# Altium PCB PCB_Incense.PcbDoc (part 2 of 3)
Units mil, origin at the board's own origin, x right, y up, seen from the top; angles counter-clockwise.
Board outline 5905.51 x 4960.63 mil, 2 copper layers (Top Layer, Bottom Layer), stack 61.89 mil thick; 318 components, 225 nets, 1085 pads, 499 vias.
Unrouted connection lines stored in the file: 2.
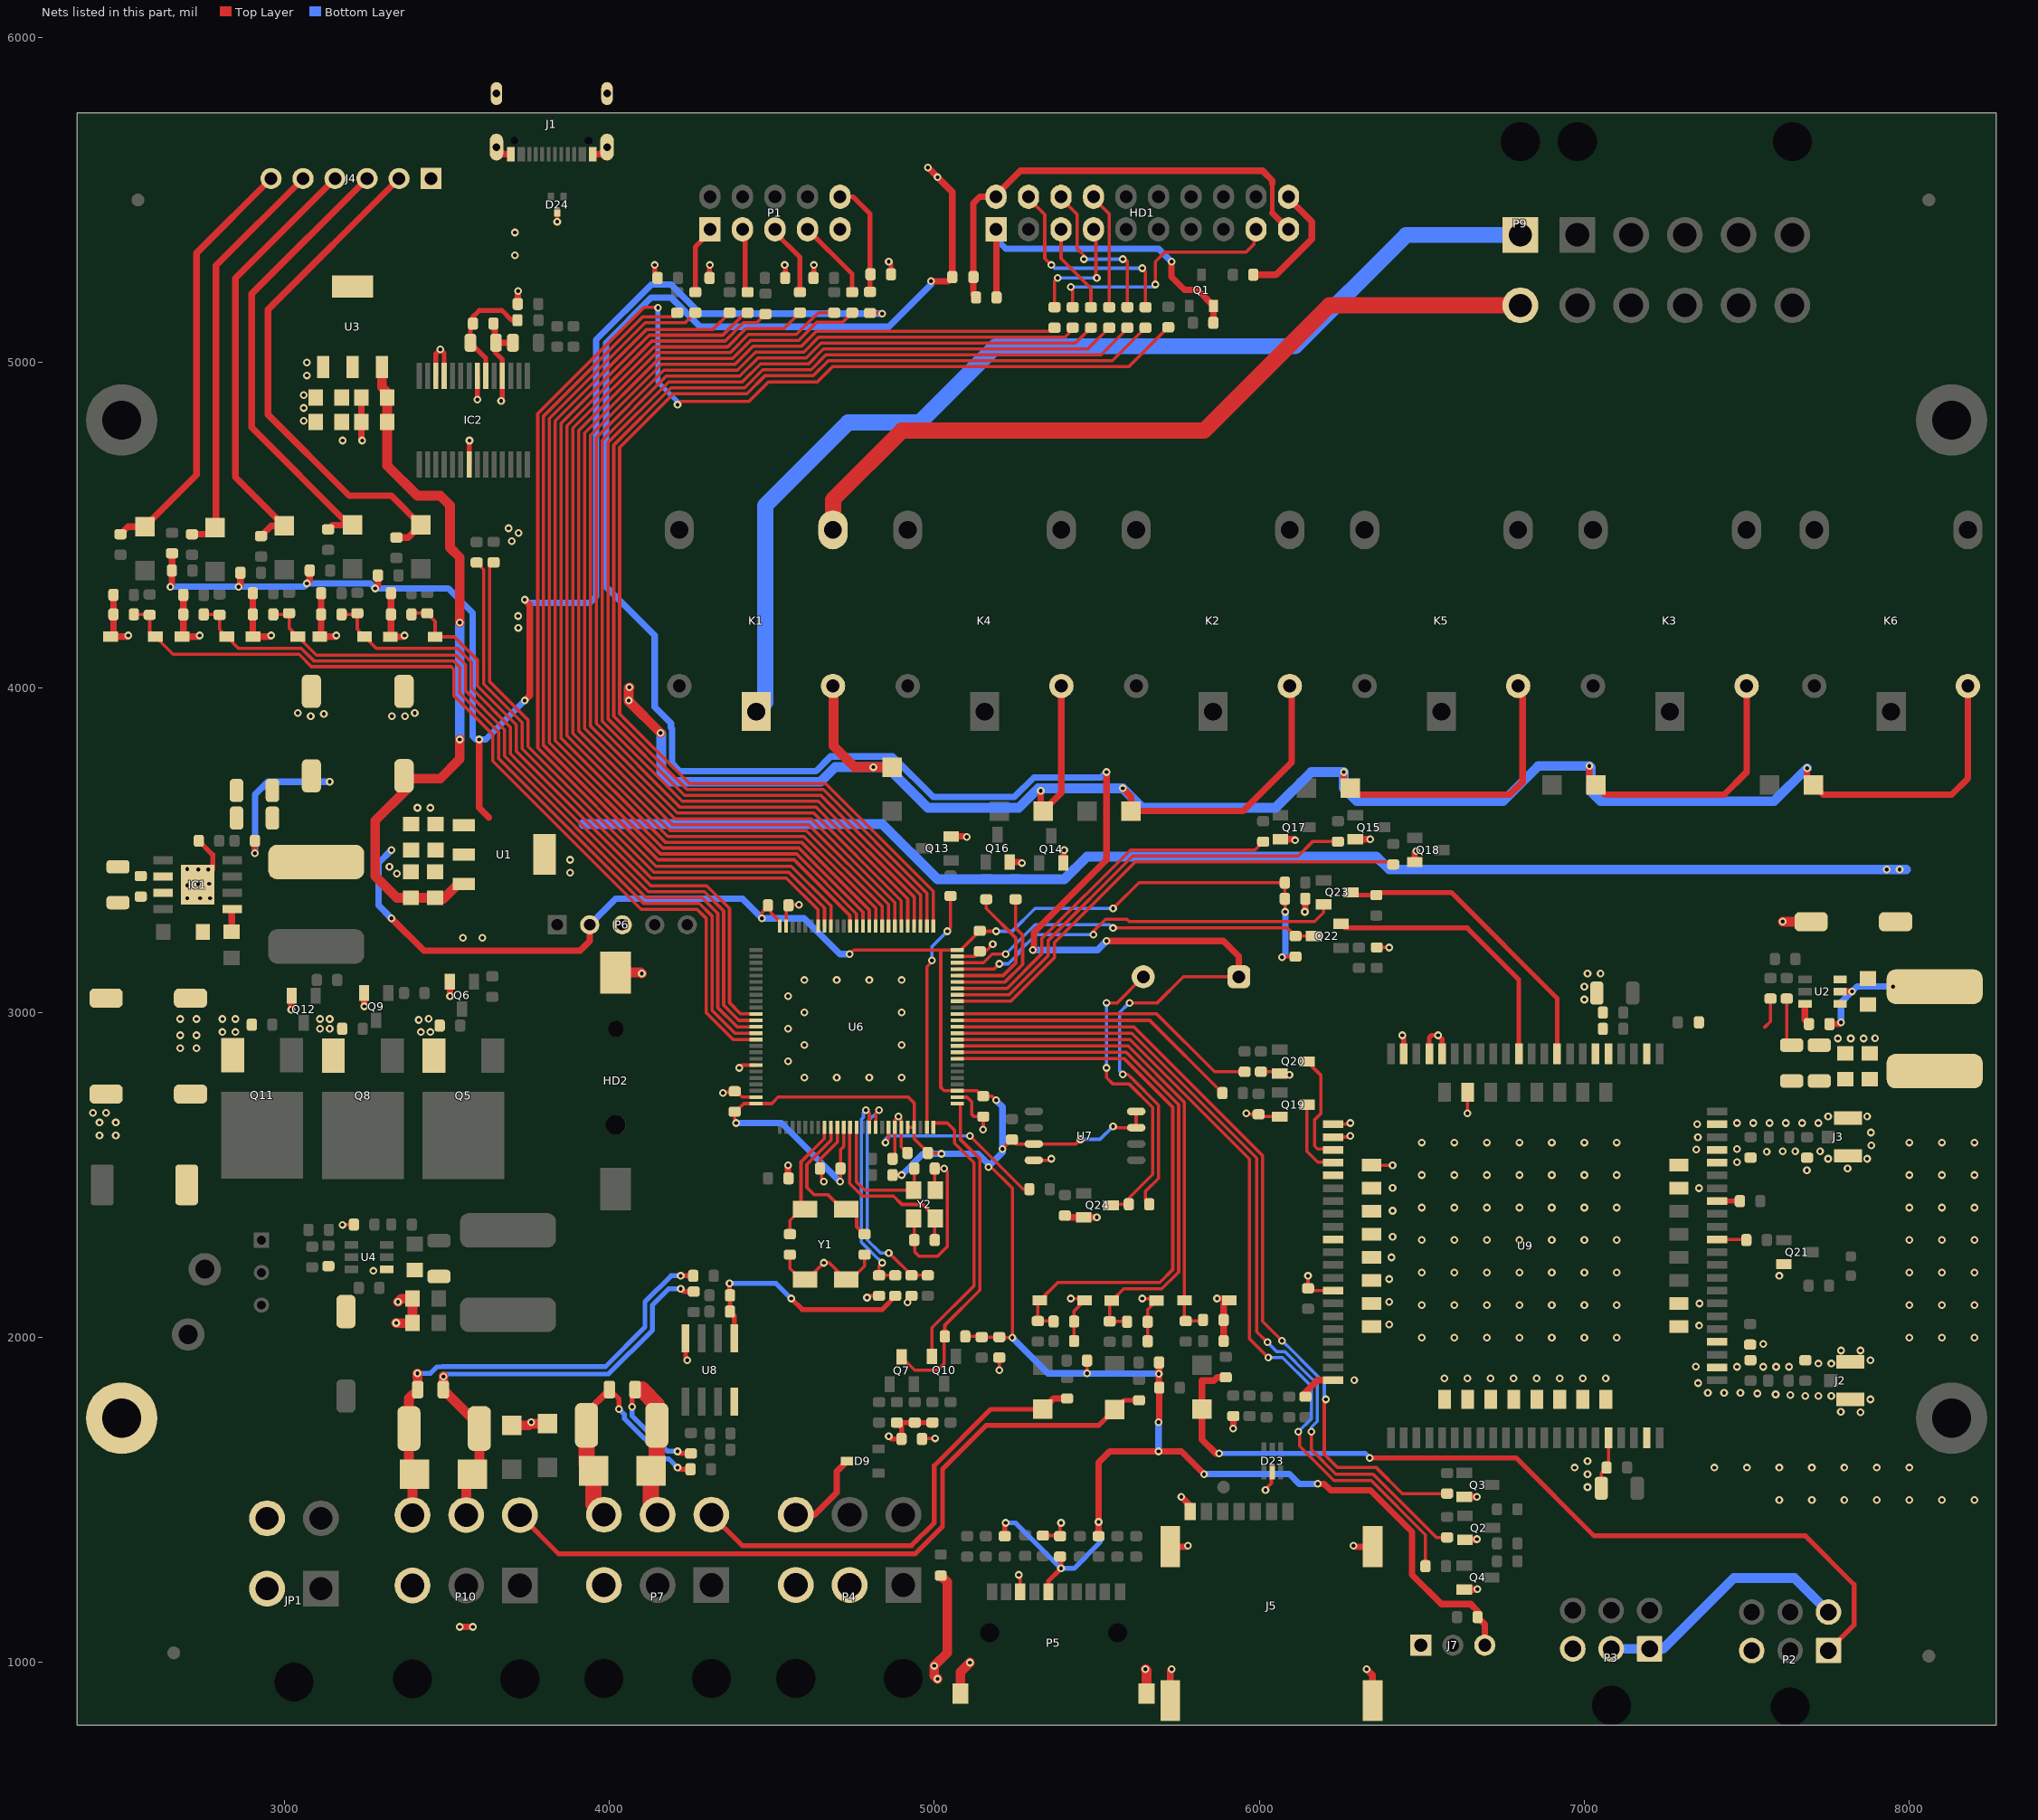
[diagram p2: the nets of this part, all layers, seen from the top]

## Part data (continued)
Q2 Q3 Q4 Q6 Q7 Q9 Q10 Q12 Q13 Q14 Q15 Q16 Q17 Q18 Q19 Q20 Q21 Q22 Q23 Q24: library part NPN, "NPN 200mA 40V 350mW SOT-23 Transistors", MANUFACTURER1="Guangdong Hottech", MANUFACTURER2="HT(Shenzhen Jinyu Semicon)", PACKAGE=SOT23, Category=TRANSISTOR, MANUFACTURER1_PART#=MMBT3904, MANUFACTURER2_PART#=MMBT3904, PROCESS_TYPE=SM
Q5 Q8 Q11: library part MOSFET-P, "MOSFET P-CH 60V 26A TO252", MANUFACTURER1="Alpha & Omega Semiconductor Inc.", LatestRevisionDate=17-Jul-2002, LatestRevisionNote="Re-released for DXP Platform.", MANUFACTURER1_PART#=AOD409, PackageDescription="TO, Flat Index; 3 In-Line, Axial Leads; Body Dia. 4.6mm; Lead Dia. 0.5 mm (max)", PackageReference=E3, PackageVersion=1995/1996, Published=8-Jun-2000, Publisher="Altium Limited"
R1: "RES SMD 33K OHM 1% 1/10W 0603", MANUFACTURER1="Cal-Chip Electronics, Inc.", MANUFACTURER1_PART#=RM06F3302CT, LatestRevisionDate=17-Jul-2002, LatestRevisionNote="Re-released for DXP Platform.", PackageDescription="Axial Device, Thru-Hole; 2 Leads; 0.3 in Pin Spacing", PackageReference=AXIAL-0.3, Published=8-Jun-2000, Publisher="Altium Limited"
R2: "RES SMD 3.3K OHM 1% 1/10W 0603", MANUFACTURER1="Cal-Chip Electronics, Inc.", MANUFACTURER1_PART#=RM06F3301CT, LatestRevisionDate=17-Jul-2002, LatestRevisionNote="Re-released for DXP Platform.", PackageDescription="Axial Device, Thru-Hole; 2 Leads; 0.3 in Pin Spacing", PackageReference=AXIAL-0.3, Published=8-Jun-2000, Publisher="Altium Limited"
R3: "RES SMD 73.2K OHM 1% 1/10W 0603", MANUFACTURER1="Cal-Chip Electronics, Inc.", MANUFACTURER1_PART#=RM06F7322CT, LatestRevisionDate=17-Jul-2002, LatestRevisionNote="Re-released for DXP Platform.", PackageDescription="Axial Device, Thru-Hole; 2 Leads; 0.3 in Pin Spacing", PackageReference=AXIAL-0.3, Published=8-Jun-2000, Publisher="Altium Limited"
R4: "RES SMD 13K OHM 1% 1/10W 0603", MANUFACTURER1="Cal-Chip Electronics, Inc.", MANUFACTURER1_PART#=RM06F1302CT, LatestRevisionDate=17-Jul-2002, LatestRevisionNote="Re-released for DXP Platform.", PackageDescription="Axial Device, Thru-Hole; 2 Leads; 0.3 in Pin Spacing", PackageReference=AXIAL-0.3, Published=8-Jun-2000, Publisher="Altium Limited"
R5 R42 R43 R44: library part Res0.3, "RES SMD,1K OHM,5%,1/10W,0603", MANUFACTURER1="Stackpole Electronics Inc", MANUFACTURER1_PART#=RMCF06031K00JNEAC, MANUFACTURER2=UWA, MANUFACTURER2_PART#=R0603J1KTG, POWER=0.25W, TOLERANCE=±5%, Category="RES SMD", DESCCRIPTION="RES SMD 1K OHM 5% 1/10W 0603", LOH_Code=140100083, PACKING="Tape & Reel (TR)", PCB Footprint=0603, Process Type=SM, UNIT=PCS
R6 R11 R18 R23 R26 R27 R31 R45 R52 R56 R57 R62 R64 R65 R70 R71 R72 R73 R81 R82 R83 R86 R90 R92 R94 R97 R101 R104 R106 R107 R108 R117 R119 R124: library part Res0.3, "RES SMD,10K OHM 5% 1/10W 0603", MANUFACTURER1="Stackpole Electronics Inc", MANUFACTURER1_PART#=RMCF0603JT10K0, MANUFACTURER2=UWA, MANUFACTURER2_PART#=R0603J10KKDX, POWER=0.25W, TOLERANCE=±5%, Category=RES-SMD, PACKING="Tape & Reel (TR)", PCB Footprint=0603, Process Type=SM, UNIT=PCS
  R11 R23 R64 R65 R72 R73 R83: Assembly=NI
  R27: Asembly=NI
  R119 R124: DESCCRIPTION="RES 10K OHM 5% 1/10W 0603", DESCRIPTION_="RES 10K OHM 5% 1/10W 0603", don vi cung cap=shop, LOH_Code=140100118
R7 R9 R12 R13 R14 R16 R29 R32 R33 R34 R35 R36 R37 R38: library part "RES 120 OHM 5% 1/10W 0603", "RES 100 OHM 5% 1/10W 0603", MANUFACTURER1=Stackpole, MANUFACTURER1_PART#=RMCF0603JG100R, Category=RES-SMD, PCB_ Footprint=0603, PROC=SM, UNIT=PCS
R8 R10 R15 R20 R22 R28 R30 R50 R61 R63 R66 R67 R68 R69 R74 R75 R76 R77 R78 R79 R80 R84 R85 R87 R88 R89 R91 R93: library part Res0.3, "RES SMD,1K OHM,5%,1/10W,0603", MANUFACTURER1="Stackpole Electronics Inc", MANUFACTURER1_PART#=RMCF06031K00JNEAC, MANUFACTURER2=UWA, MANUFACTURER2_PART#=R0603J1KTG, POWER=0.25W, Category="RES SMD", DESCCRIPTION="RES SMD 1K OHM 5% 1/10W 0603", LOH_Code=140100083, PACKING="Tape & Reel (TR)", PCB Footprint=0603, Process Type=SM, UNIT=PCS
  R10 R22: Assembly=NI
R17 R24 R25 R39 R40 R41 R96 R116 R121 R125: library part Res0.3, "RES SMD, 470 OHM 5% 1/8W 0603", MANUFACTURER1="KOA Speer Electronics, Inc.", MANUFACTURER1_PART#=RK73B1JTTD471J, MANUFACTURER2=Stackpole, MANUFACTURER2_PART#=RMCF0603JT470R, POWER=0.25W, TOLERANCE=±5%, Category="RES SMD", PACKING="Tape & Reel (TR)", PCB Footprint=0603, Process Type=SM, UNIT=PCS
R19: library part "RES 120 OHM 5% 1/10W 0603", "RES 100 OHM 5% 1/10W 0603", MANUFACTURER1=Stackpole, MANUFACTURER1_PART#=RMCF0603JG100R, TOLERANCE=5%, Category=RES-SMD, PCB_ Footprint=0603, PROC=SM, UNIT=PCS
R21 R59 R60 R98 R100 R109 R111 R112 R113 R114 R115 R118: library part Res0.3, "RES 22 OHM 5% 1/10W 0603", MANUFACTURER1=Yageo, MANUFACTURER1_PART#=RC0603JR-0722RL, MANUFACTURER2="Stackpole Electronics Inc", MANUFACTURER2_PART#=RMCF0603JT22R0, POWER=0.25W, TOLERANCE=5%, Category="RES SMD", PACKING="Tape & Reel (TR)", PCB Footprint=0603, Process Type=SM, UNIT=PCS
R46: "RES 47K OHM 5% 1/10W 0603", MANUFACTURER1="Stackpole Electronics Inc", MANUFACTURER1_PART#=RMCF0603JT47K0, LatestRevisionDate=17-Jul-2002, LatestRevisionNote="Re-released for DXP Platform.", PackageDescription="Axial Device, Thru-Hole; 2 Leads; 0.3 in Pin Spacing", PackageReference=AXIAL-0.3, Published=8-Jun-2000, Publisher="Altium Limited"
R47: "RES 560K OHM 1% 1/10W 0603", MANUFACTURER1=YAGEO, MANUFACTURER1_PART#=RC0603FR-07560KL, LatestRevisionDate=17-Jul-2002, LatestRevisionNote="Re-released for DXP Platform.", PackageDescription="Axial Device, Thru-Hole; 2 Leads; 0.3 in Pin Spacing", PackageReference=AXIAL-0.3, Published=8-Jun-2000, Publisher="Altium Limited"
R48 R51 R53: "RES SMD,10K OHM 5% 1/10W 0603", MANUFACTURER1="Stackpole Electronics Inc", MANUFACTURER1_PART#=RMCF0603JT10K0, LatestRevisionDate=17-Jul-2002, LatestRevisionNote="Re-released for DXP Platform.", PackageDescription="Axial Device, Thru-Hole; 2 Leads; 0.3 in Pin Spacing", PackageReference=AXIAL-0.3, Published=8-Jun-2000, Publisher="Altium Limited"
R49: "VR 105-1M 3296W", LatestRevisionDate=17-Jul-2002, LatestRevisionNote="Re-released for DXP Platform.", MANUFACTURER1=https://banlinhkien.com/bien-tro-vr-1051m-3296w-p6648309.html, MANUFACTURER1_PART#="VR 105-1M 3296W", PackageDescription="Variable Resistor, Thru-Hole; 3 Leads", PackageReference=VR5, Published=8-Jun-2000, Publisher="Altium Limited", Set Position=0.5, Sim Note="Enter the Resistance value and the set point into parameter fields."
R54 R55 R58 R102 R105: library part Res0.3, "RES SMD 5.1K OHM 1% 1/10W 0603", MANUFACTURER1=Yageo, MANUFACTURER1_PART#=RC0603FR-075K1L, Category="RES SMD", PACKING="Tape & Reel (TR)", PCB Footprint=0603, Process Type=SM, UNIT=PCS
R95 R120 R122 R123 R126: library part Res0.3, "RES SMD,1K OHM,5%,1/10W,0603", MANUFACTURER1="Stackpole Electronics Inc", MANUFACTURER1_PART#=RMCF06031K00JNEAC, MANUFACTURER2=UWA, MANUFACTURER2_PART#=R0603J1KTG, Category="RES SMD", DESCCRIPTION="RES SMD 1K OHM 5% 1/10W 0603", LOH_Code=140100083, PACKING="Tape & Reel (TR)", PCB Footprint=0603, Process Type=SM, UNIT=PCS
R99 R103: library part Res0.3, "RES SMD 0 OHM JUMPER 1/10W 0603", MANUFACTURER1=Yageo, MANUFACTURER1_PART#=RC0603JR-070RL, MANUFACTURER2="Stackpole Electronics Inc", MANUFACTURER2_PART#=RMCF0603ZT0R00, POWER=0.25W, TOLERANCE=5%, Category="RES SMD", PACKING="Tape & Reel (TR)", PCB Footprint=0603, Process Type=SM, UNIT=PCS
R110: library part Res1, "RES 100K OHM 1% 1/10W 0603", MANUFACTURER1="Stackpole Electronics Inc", MANUFACTURER1_PART#=RMCF0603FT100K, LatestRevisionDate=17-Jul-2002, LatestRevisionNote="Re-released for DXP Platform.", PackageDescription="Axial Device, Thru-Hole; 2 Leads; 0.3 in Pin Spacing", PackageReference=AXIAL-0.3, Published=8-Jun-2000, Publisher="Altium Limited"
R127 R128: library part Res0.3, "RES SMD 0.05 OHM 1% 1W 2512", MANUFACTURER1="TE Connectivity Passive Product", MANUFACTURER1_PART#=TLRP3A30CR050FTE, Category="RES SMD", MANUFACTURER2_PART#=https://banlinhkien.com/tro-2512-1-r0500.05r-1w-p6652906.html, PACKING="Tape & Reel (TR)", PCB Footprint=2512, Process Type=SM, UNIT=PCS
TP1: "TEST POINT"
U1 U3: library part LM1117, "LDO, LM1117MPX-3.3V"
U2 U4: library part IC_TPS54302DDCR, "IC REG BUCK ADJ 3A TSOT23-6,TPS54302DDCR", MANUFACTURER1="Texas Instruments", PACKAGE=TSOT23-6, BY=VINFAST_RD, Category=IC, DISTR1=DIGIKEY, DISTR1_PART#=296-46237-1-ND, MANUFACTURER1_PART#=TPS54302DDCR, MFG1="Texas Instruments", MFG1_PART#=TPS54302DDCR, PROCESS=SM, Type=IC, VFCODE=TPS54302DDCR
U6: "IC MCU 32BIT 512KB FLASH 100LQFP", MANUFACTURER1=STMicroelectronics, MANUFACTURER1_PART#=STM32F103VET6
U7: library part "IC Flash W25Q16JVSNIQ QUAD SO8", "IC FLASH 32MBIT SPI/QUAD 8SOIC", MANUFACTURER1="Winbond Electronics", VOLTAGE="2.7V ~ 3.6V", Category=IC, INTERFACE="QUARD SPI", MANUFACTURER1_PART#=W25Q32JVSSIQ, PACKING="Tape & Reel (TR)", PCB Footprint=SO8, Process Type=SM, UNIT=PCS
U8: library part LM358, "IC OPAMP GP 2 CIRCUIT 8SOIC", MANUFACTURER1="Texas Instruments", MANUFACTURER1_PART#=LM358BAIDR, MANUFACTURER2="ON Semiconductor", MANUFACTURER2_PART#=LM358DR2G, Category=IC, UNIT=PCS
U9: library part SIM7600C_L1, "MODULE 4G SIM7600C_L1", MANUFACTURER1=SIMCOM, MANUFACTURER1_PART#=A7600C-L1
Y1: library part XT4_32.768KHZ, "CRYSTAL 32.7680KHZ 12.5PF SMD", Frequency="32.768 kHz", Frequency Tolerance=±20ppm, Load Capacitance=12.5pF, MANUFACTURER1=TDK, MANUFACTURER1_PART#="TKD M8-32.768KHZ-12.5PF-20PPM", Category=CRYSTAL, ESR="65 kOhms", SIZE="0.264\" L x 0.059\" W (6.70mm x 1.50mm)"
Y2: library part "Crystal FL0800008Q", "CRYSTAL 24.0000MHZ 18PF SMD", MANUFACTURER1="ECS Inc.", MANUFACTURER1_PART#="TSX-3225 24.0000MF15V-C0", TOLERANCE=±20ppm, Category=Crystals, PACKING="Tape & Reel (TR)", PCB Footprint="3.20mm x 2.50mm", Process Type=SM, UNIT=PCS
Z1 Z2 Z3 Z4 Z5 Z6 Z7 Z8: "DIODE ZENER 3V 500MW SOD123", MANUFACTURER1=onsemi, Mouser Part Number=863-MMSZ4683T1G, Arrow Part Number=MMSZ4683T1G, Arrow Price/Stock=https://www.arrow.com/en/products/mmsz4683t1g/on-semiconductor?region=europe, Datasheet Link=https://datasheet.datasheetarchive.com/originals/distributors/Datasheets-23/DSA-455817.pdf, Height=1.35mm, MANUFACTURER1_PART#=MMSZ4683T1G, Manufacturer_Name=onsemi, Manufacturer_Part_Number=MMSZ4683T1G, Mouser Price/Stock=https://www.mouser.co.uk/ProductDetail/onsemi/MMSZ4683T1G?qs=P4IOph%252Bbot9v8tpS0oq%2F3Q%3D%3D

## Free pads (board coordinates)
  round 220 hole 120: 5(2500,4822.83) 6(2500,1751.97) 7(8129.92,1751.97) 8(8129.92,4822.83)
  round 40 smd mask+40: 9(2550,5500) 9(2660,1030) 9(8060,1020) 9(8060,5500)

## Via types
v1: diameter 24, hole 12, Top Layer to Bottom Layer, tented both sides, 495 vias
v2: diameter 24, hole 12, Top Layer to Bottom Layer, 4 vias

## Nets (pads, with @x,y where several pads share a name; then routed paths per layer and width w, separated by ;. In a path a pad name is that pad's centre, name@x,y a point inside that pad or via, vN(x,y) a via of type N, cw(c..) or ccw(c..) an arc to the next point about the centre after c; other vN are vias at no path point)
3V3: C17.1 C18.1 C40.2 C60.2 C62.2 C65.1 C68.1 C69.1 C71.2 C73.1 C74.1 F2.1 J7.3 P5.4 P6.2 R6.1 R15.2 R18.1 R27.1 R55.1 R56.1 R64.1 R65.1 R72.1 R73.1 R83.1 R102.1 R104.1 R106.1 R107.1 R108.1 R110.1 U1.2 U1.4 U6.11 U6.21 U6.22 U6.28 U6.50 U6.75 U6.100 U7.3 U7.7 U7.8 | length 15168.9
  Top Layer w10: R72.1@3078.5,4360 R72.1@3078.5,4370 ; v1(4390,2660) 4385.83,2664.17 C74.1@4385.83,2694.76 4388.78,2694.76 4414.06,2720.04 U6.100@4451.18,2720.04 4500.04,2720.04 4520,2740 4920,2740 4937.99,2722.01 U6.22@4937.99,2646.61 ; v1(4470,3290) 4470,3306.99 4488.5,3325.49 C73.1@4488.5,3330 4497.48,3321.03 4497.48,3307.13 4524.61,3280 U6.75@4524.61,3265.91 ; v1(4710,2480) 4711.5,2481.5 C69.1@4711.5,2520 4711.5,2578.02 4721.46,2587.98 4721.46,2646.47 U6.11@4721.53,2646.54 ; v1(4740,3180) 4752.48,3192.48 5020,3192.48 ; F2.1@4802.36,5152.24 4837.76,5152.24 v1(4840,5150) ; R110.1@4871.5,2500 v1(4900,2500) ; U6.21@4918.31,2646.61 U6.22@4937.99,2646.61 ; v1(5022.24,2565.29) 5022.24,2567.76 5021.95,2568.05 C65.1@4980.32,2568.05 4980.32,2569.68 4937.99,2612.01 U6.22@4937.99,2646.61 ; R55.1@5095.41,2003.49 5144.18,2003.49 R56.1@5146.22,2001.45 5199.95,2001.45 C40.2@5200,2001.49 5201.49,2000 v1(5240,2000) 5240,2460 5171.09,2528.91 v1(5167,2524.82) ; v1(5190,2730) 5177.25,2742.75 C62.2@5150.83,2742.75 5147.92,2742.75 5131.27,2759.41 U6.28@5070.47,2759.41 5030.59,2759.41 5020,2770 5020,3192.48 ; v1(5190,3250) 5141.49,3250 C71.2@5140,3251.49 5080.99,3192.48 U6.50@5070.47,3192.48 5020,3192.48 ; v1(5210,2580) 5210,2580.59 R106.1@5238.74,2609.33 5252.24,2595.83 U7.3@5306.26,2595.83 5435.83,2595.83 v1(5450,2610) ; v1(5470,1890) 5470.24,1890.24 R27.1@5470.24,1929.37 ; v1(5550,2650) 5554.17,2645.83 U7.7@5621.22,2645.83 U7.8@5621.22,2695.83 ; v1(5550,3320) 5630,3400 R104.1@6078.5,3400 C60.2@6078.51,3350 6080,3348.51 v1(6080,3310) ; R6.1@5690.89,1847.42 R6.1@5692.22,1846.09 ; v1(6070,3170) 6072.24,3172.24 R102.1@6111.38,3172.24
  Top Layer w15: R108.1@5216.74,1388.93 5216.74,1426.74 v1(5220,1430) ; P5.4@5351.18,1217.44 5351.18,1251.18 v1(5390,1290) 5390,1323.09 C68.1@5387.15,1325.94
  Top Layer w20: v1(2650,4310) 2654.6,4314.6 R65.1@2654.6,4360 2654.88,4360.27 R73.1@2654.88,4412.91 ; v1(2860,4310) 2865.31,4315.31 R83.1@2865.31,4353.04 ; v1(3070,4320) 3078.5,4328.5 R72.1@3078.5,4360 ; v1(3280,4305) 3288.5,4313.5 R64.1@3288.5,4345 ; v1(3330,3290) 3430,3190 3910,3190 3940,3220 P6.2@3940,3270 ; v1(3600,3840) 3600,3630 3630,3600 ; v1(3740,3960) 3755.76,3975.76 3755.76,4254.24 v1(3740,4270) ; R107.1@5505.62,1388.93 5505.62,1615.62 5540,1650 v1(5690,1650) 5760,1650 v1(5830,1580) ; v1(5690,1740) 5692.22,1742.22 R6.1@5692.22,1846.09 ; R6.1@5690.89,1847.42 v1(5690.89,1888.77) 5691.5,1889.38 R18.1@5691.5,1923.51 ; v1(6180,1550) 6200,1550 6220,1530 6342.02,1530 6470,1402.02 6470,1270 6560,1180 6650,1180 6671.49,1158.51 R15.2@6671.49,1140 6693.82,1117.67 J7.3@6693.82,1053.58
  Bottom Layer w10: v1(5190,3250) 5240,3250 5310,3320 v1(5550,3320) ; v1(5450,2610) 5510,2610 v1(5550,2650)
  Bottom Layer w15: v1(5220,1430) 5250,1430 v1(5390,1290) 5430,1290 5510,1370 5505.47,1374.53 v1(5505.47,1432.64)
  Bottom Layer w20: v1(2650,4310) v1(2860,4310) 3060,4310 v1(3070,4320) 3265,4320 v1(3280,4305) 3505,4305 3580,4230 3580,3850 3590,3840 v1(3600,3840) 3620,3840 v1(3740,3960) ; v1(3330,3290) 3290,3330 3290,3460 v1(3330,3500) ; v1(3740,4270) 3750,4260 3940,4260 3960,4280 3960,5070 4130,5240 4190,5240 4280,5150 v1(4840,5150) ; P6.2@3940,3270 4020,3350 4410,3350 v1(4470,3290) 4600,3290 4710,3180 v1(4740,3180) ; v1(4390,2660) 4530,2660 v1(4710,2480) ; v1(4900,2500) 4965.29,2565.29 v1(5022.24,2565.29) 5134.71,2565.29 v1@5170,2530 ; v1(5167,2524.82) 5170,2527.82 v1@5170,2530 ; v1(5190,2730) 5210,2710 v1(5210,2580) 5210,2570 v1@5170,2530 ; v1(5240,2000) 5350,1890 v1(5470,1890) 5471.23,1888.77 v1(5690.89,1888.77) ; v1(5690,1650) v1(5690,1740) ; v1(5830,1580) 6092.63,1580 6122.63,1550 v1(6180,1550) ; v1(6070,3170) 6080,3180 v1(6080,3310)
4G_KEY: Q20.3 U9.3 | length 348.2
  Top Layer w10: Q20.3@6146.93,2849.37 6190,2806.3 6190,2690 6170,2670 6170,2590 6180,2580 6225.08,2580 U9.3@6227.56,2577.52
4G_RST: Q19.3 U9.4 | length 238.9
  Top Layer w10: Q19.3@6146.76,2716.81 6146.76,2573.24 6180,2540 6225.71,2540 U9.4@6227.56,2538.15
4G_RX: Q23.3 R105.2 U9.68 | length 947.1
  Top Layer w15: Q23.3@6282.01,3370 6290.52,3361.49 R105.2@6360,3361.49 6368.01,3369.5 6590.5,3369.5 6916.54,3043.46 U9.68@6916.54,2872.8
4G_TX: Q22.2 U9.71 | length 846.7
  Top Layer w15: Q22.2@6251.38,3272.74 6264.12,3260 6640,3260 6798.43,3101.57 U9.71@6798.43,2872.8
5V: C39.1 R52.1 R54.1 R58.1 | length 208.7
  Top Layer w15: v1(4860,1696.21) 4868.11,1688.1 C39.1@4899.21,1688.1 4899.21,1724.34 R52.1@4884.93,1738.63 4885.05,1738.5 R54.1@4940,1738.5 4940.13,1738.63 R58.1@4994.54,1738.63
5V0: BU1.1 C22.1 C23.1 C75.2 L3.1 U3.2 U3.4 | length 6883.6
  Top Layer w10: v1(5580,2810) 5595.46,2810 5607.46,2798 5690,2715.46 5690,2490 5650,2450 5650,2421.49 C75.2@5661.49,2410 ; v1(5600.59,3029.41) 5601.18,3030 5686.52,3030 5766.52,3110 BU1.1@5937,3110
  Top Layer w20: v1(4980,5600) 5055.54,5524.46 L3.1@5055.54,5262.77 5042.77,5250 v2(4990,5250) ; v2(5303,3192.1) 5305.1,3190 5307.44,3190 5307,3190.44 5307,3247 5327.07,3267.07 5530,3470 v2(5530,3740) ; v2(5530,3220) 5890,3220 5937,3173 BU1.1@5937,3110
  Bottom Layer w10: v1(5580,2810) 5570,2820 5570,3000 5595.86,3025.86 5597.04,3025.86 v1(5600.59,3029.41)
  Bottom Layer w20: v2(4990,5250) 4990,5240 4860,5110 4280,5110 4190,5200 4129.6,5200 3990,5060.4 3990,4310 4140,4160 4140,3940 4190,3890 4190,3876.67 4193,3873.67 4193,3767 4217,3743 4636.33,3743 4681.33,3788 4872,3788 4997,3663 5246.33,3663 5306.33,3723 5513,3723 v2(5530,3740) ; v2(5303,3192.1) 5502.1,3192.1 v2(5530,3220)
  other v1: 3180,4760 3710,5330 3710,5400 5010,5570
5V_OUT: U8.8
5V_USB: C78.2 C79.1 IC2.20 L7.2 | length 362.9
  Top Layer w15: IC2.20@3620.08,4958.41 3620.08,5013.46 C78.2@3572.83,5060.71 3572.83,5111.89 C79.1@3580.71,5119.76 3580.71,5139.29 3580,5140 3600,5160 3670,5160 3700,5130 L7.2@3717.52,5130
8M_IN: C67.1 U6.12 Y2.1 | length 550.5
  Top Layer w10: U6.12@4741.14,2646.61 4740,2645.47 4740,2490 4740,2474.55 4779.24,2435.31 4874.69,2435.31 4900.38,2409.63 4964.47,2409.63 5003.46,2370.63 Y2.1@5003.46,2366.69 5001.5,2364.73 C67.1@5001.5,2300
8M_OUT: C66.1 U6.13 Y2.3 | length 422.1
  Top Layer w10: U6.13@4760.83,2646.61 4760.83,2611.61 4760,2610.79 4760,2480 4786.69,2453.31 Y2.3@4936.54,2453.31 4938.5,2455.27 C66.1@4938.5,2520
12V_SYS: C2.2 C3.2 C4.1 C5.1 C15.1 C16.1 C20.1 C21.1 L1.2 R1.2 U1.3 U3.3 | length 2626.8
  Top Layer w15: v1(2910,3490) 2910.12,3490.12 R1.2@2910.12,3528.31
  Top Layer w30: U3.3@3300.55,4985.98 3300.55,4924.04 3317.05,4907.54 C21.1@3317.05,4892.13 C20.1@3317.05,4817.13 3317.05,4682.95 3410,4590 3480,4590 3510,4560 3510,4430 3540,4400 v1(3540,4200) ; C4.1@3377.01,3687.01 3280,3590 3280,3420 3346.81,3353.19 C15.1@3389.75,3353.19 C16.1@3464.75,3353.19 3467.93,3350 3490,3350 3535.87,3395.87 U1.3@3552.64,3395.87 ; C4.1@3377.01,3720 3480,3720 3540,3780 v1(3540,3840)
  Bottom Layer w20: v1(2910,3490) 2910,3670 2950,3710 v1(3140,3710)
  Bottom Layer w30: v1(3540,3840) v1(3540,4200)
12V_VADI: P4.3
32K_IN: C64.1 U6.8 Y1.1 | length 390
  Top Layer w10: C64.1@4555.79,2318.27 4555.79,2359.84 4590.98,2395.04 Y1.1@4602.8,2395.04 4590,2407.83 4590,2540.62 4661.5,2612.11 4661.5,2645.71 U6.8@4662.4,2646.61
32K_OUT: C63.1 U6.9 Y1.4 | length 471.9
  Top Layer w10: U6.9@4682.09,2646.61 4682.09,2607.25 4608,2533.16 4608,2462 4630,2440 4672,2440 4716.97,2395.04 Y1.4@4728.78,2395.04 4740.59,2395.04 4761.18,2374.44 4761.18,2341.47 4784.39,2318.27 C63.1@4785.79,2318.27
+4V_SYS: C12.1 C13.2 C14.2 C33.1 L2.2 L6.1 R3.2 | length 95.3
  Top Layer w10: 7555.11,2955.11 7572.79,2972.79 R3.2@7572.79,3043.11
+24V_SYS: C6.2 C7.2 C8.1 C9.1 C10.1 C11.2 D1.2 D13.2 D14.2 D15.2 D19.2 D20.2 D21.2 IC1.7 K1.2 K2.2 K3.2 K4.2 K5.2 K6.2 L5.1 P2.4 P3.1 P3.2 P3.3 P7.3 P10.3 Q5.3 Q8.3 Q11.3 R45.1 R57.1 R62.1 U2.3 | length 13893.9
  Top Layer w20: v1(5327.63,3682.37) 5327.63,3627.37 D19.2@5335,3620 5390.98,3675.98 K4.2@5390.98,4004.68 ; v1(5580,3690) 5605,3665 D14.2@5605,3620 5950,3620 6100,3770 K2.2@6100,4010.94 ; v1(6260,3740) 6260,3710 D20.2@6280,3690 6300,3670 6770,3670 6810,3710 6810,3998.19 K5.2@6800,4008.19 ; v1(7015.61,3758.54) 7015.61,3709.39 7030,3695 D15.2@7035,3700 7065,3670 7430,3670 7499.25,3739.25 K3.2@7499.25,4004.68 ; v1(7685.11,3751.72) 7685.11,3709.89 7700,3695 D21.2@7705,3700 7735,3670 8130,3670 8180,3720 K6.2@8180,4004.68
  Top Layer w30: v1(4062.24,4000.77) 4060,3998.53 4060,3958 v1(4158,3860) ; K1.2@4690,3980.29 4690,3820 4755,3755 v1(4812.5,3755) D13.2@4870,3755 ; v1(5010,950) 5000,960 v1(5000,990) 5040,1030 5040,1247.52 L5.1@5020,1267.52
  Bottom Layer w30: 3920,3580 4840,3580 5010,3410 5400,3410 5470,3480 6360,3480 6400,3440 7990,3440 ; v1(4158,3860) 4160,3858 4160,3740 4190,3710 4650,3710 4695,3755 v1(4812.5,3755) 4855,3755 4980,3630 5260,3630 5312.37,3682.37 v1(5327.63,3682.37) ; v1@5320,3690 v1(5580,3690) 5640,3630 6050,3630 6160,3740 v1(6260,3740) 6260,3690 6300,3650 6750,3650 6858.54,3758.54 v1(7015.61,3758.54) 7020,3754.15 7020,3680 7050,3650 7583.39,3650 v1(7685.11,3751.72) ; P3.2@7120.73,1042.45 7242.45,1042.45 7460,1260 7646.66,1260 P2.4@7751.26,1155.4
  other v1: 2680,2890 2730,2890 2680,2930 2730,2930 2810,2940 2850,2940 3420,2940 3450,2940 3110,2950 3140,2950 3413.92,2977.52 2680,2980 2730,2980 2810,2980 2850,2980 3110,2980 3140,2980 3444.58,2980.5 3550,3230 3610,3230 3880,3430 7930,3440 7970,3440 3880,3470 4060,3960
boot: C1.1 IC1.1 | length 70.7
  Top Layer w20: C1.1@2838.62,3248.31 2838.62,3316.54 IC1.1@2840.39,3318.31
COL1: P1.1 R29.2 | length 212.4
  Top Layer w15: R29.2@4264.97,5216.22 4264.97,5354.97 4310,5400 P1.1@4310,5410
COL2: P1.3 R32.2 | length 200.3
  Top Layer w15: P1.3@4410,5410 4417.88,5402.12 4417.88,5224.1 R32.2@4425.77,5216.22
COL3: P1.5 R33.2 | length 225.5
  Top Layer w15: P1.5@4510,5410 4510,5400 4586.57,5323.43 R33.2@4586.57,5216.22
COL4: P1.7 R34.2 | length 250.7
  Top Layer w15: P1.7@4610,5410 4611.21,5408.79 4747.36,5272.64 R34.2@4747.36,5216.22
DGND: C2.1 C3.1 C4.2 C5.2 C6.1 C7.1 C8.2 C9.2 C10.2 C11.1 C12.2 C13.1 C14.1 C15.2 C16.2 C17.2 C18.2 C20.2 C21.2 C22.2 C23.2 C24.1 C25.1 C26.1 C27.1 C28.1 C29.1 C30.1 C31.1 C32.1 C33.2 C34.1 C35.2 C36.1 C37.1 C39.2 C40.1 C41.1 C42.1 C43.1 C44.1 C45.1 C46.2 C47.2 C48.2 C49.2 C50.2 C51.2 C52.2 C53.2 C54.2 C55.2 C56.2 C57.2 C58.2 C59.2 C60.1 C61.1 C62.1 C63.2 C64.2 C65.2 C66.2 C67.2 C68.2 C69.2 C70.1 C71.1 C72.2 C73.2 C74.2 C76.1 C77.1 C78.1 C79.2 C80.2 C82.1 C84.1 C85.2 C86.2 D2.1 D8.1 D9.3 D10.1 D23.2 D24.3 D25.2 D26.2 HD1.1 HD2.2 IC1.6 IC1.9 IC2.7 IC2.18 IC2.21 IC2.25 IC2.26 J1.A1_B12 J1.B1_A12 J1.SH1 J1.SH2 J1.SH3 J1.SH4 J2.2 J2.3 J3.2 J3.3 J4.1 J5.C5 J5.Shell J7.1 JP1.2 JP1.4 P1.9 P2.3 P4.2 P4.6 P5.6 P5.9 P5.10 P6.3 P7.6 P10.6 pad.6 Q1.2 Q2.2 Q3.2 Q4.2 Q6.2 Q9.2 Q12.2 Q13.2 Q14.2 Q15.2 Q16.2 Q17.2 Q18.2 Q19.2 Q20.2 Q21.2 Q24.2 R2.2 R4.2 R10.2 R22.2 R26.2 R30.2 R51.2 R53.2 R68.2 R69.2 R79.2 R80.2 R85.2 R92.2 R94.2 R117.2 R120.2 R123.2 R127.2 R128.2 U1.1 U2.1 U3.1 U4.1 U6.10 U6.19 U6.20 U6.27 U6.49 U6.74 U6.94 U6.99 U7.4 U8.4 U9.1 U9.2 U9.5 U9.10 U9.14 U9.37 U9.40 U9.41 U9.43 U9.57 U9.58 U9.60 U9.61 U9.64 U9.65 U9.77 U9.78 U9.80 U9.81 U9.88 U9.89 U9.90 U9.91 U9.92 U9.93 U9.94 U9.95 U9.96 U9.97 U9.98 U9.99 U9.100 U9.101 U9.102 U9.103 U9.104 U9.105 U9.110 U9.111 U9.118 Y1.2 Y1.3 Y2.2 Y2.4 Z1.2 Z2.2 Z3.2 Z4.2 Z5.2 Z6.2 Z7.2 Z8.2 | length 11892.3
  Top Layer w10: v1(3179.24,2346.79) 3180.36,2347.91 R51.2@3214.49,2347.91 ; v1(3840,5433.14) D24.3@3840,5460 ; v1(4350,2753) 4352.38,2755.38 4383.45,2755.38 C74.2@4385.83,2757.75 4390.34,2757.75 4408.36,2739.72 U6.99@4451.18,2739.72 ; v1(4400,2830) 4408.15,2838.15 U6.94@4451.18,2838.15 ; U6.74@4544.29,3265.91 4545.2,3266.81 4545.2,3323.7 C73.2@4551.49,3330 4560.9,3330 4561.98,3331.07 v1(4583.45,3331.07) ; C64.2@4555.79,2255.27 4555.79,2212.81 4590.09,2178.5 Y1.2@4602.8,2178.5 4608.5,2178.5 v1(4660,2230) 4677.28,2230 Y1.3@4728.78,2178.5 4744.86,2178.5 4785.79,2219.42 C63.2@4785.79,2255.27 ; v1(4660,2480) 4653.7,2486.3 4653.7,2514.81 C69.2@4648.51,2520 4649.16,2520.65 4649.16,2548.86 4701.77,2601.48 U6.10@4701.77,2646.61 ; v1(4793.17,2122.93) 4798.75,2128.5 C82.1@4830,2128.5 ; C70.1@4871.5,2550 4878.94,2557.44 U6.19@4878.94,2646.61 4878.94,2668.94 v1(4890,2680) 4898.62,2671.38 U6.20@4898.62,2646.61 4898.62,2586.76 C65.2@4917.33,2568.05 ; v1(4918.01,2108.24) 4920.69,2110.91 4920.69,2119.19 C84.1@4930,2128.5 ; Y2.4@4936.54,2366.69 4938.51,2364.72 C67.2@4938.51,2300 4939.65,2298.86 4939.65,2263.71 4953.36,2250 5010,2250 5040,2280 5040,2510 v1(5030,2520) C66.2@5001.49,2520 5001.49,2455.28 Y2.2@5003.46,2453.31 ; C39.2@4962.2,1688.1 4964.1,1690 v1(5002.6,1690) ; U6.27@5070.47,2739.41 5101.18,2739.41 5115.83,2724.76 5115.83,2686.26 5122.32,2679.76 C62.1@5150.83,2679.76 5150.83,2640.83 v1(5150,2640) ; U6.49@5070.47,3172.8 5124.29,3172.8 C71.1@5140,3188.5 5158.5,3188.5 v1(5180,3210) ; v1(5200,1900) C40.1@5200,1938.5 ; v1(5260,1270) 5264.57,1265.43 P5.6@5264.57,1217.44 ; U7.4@5306.26,2545.83 5355.83,2545.83 v1(5360,2550) ; C72.2@5334.28,1390.89 5385.2,1390.89 C68.2@5387.15,1388.93 5387.15,1427.15 v1(5390,1430) ; v1(5420,2120) 5457.01,2120 Z3.2@5462.64,2114.37 5430.23,2081.97 R30.2@5430.23,1989.37 ; v1(5640,2120) 5677.4,2120 Z2.2@5683.9,2113.51 5656.5,2086.11 C26.1@5656.5,2048.51 R22.2@5656.49,1988.51 ; v1(5960,2690) 5963.22,2686.78 R92.2@5997.64,2686.78 6004.62,2679.81 Q19.2@6062.76,2679.81 ; R94.2@6004.92,2817.88 6057.43,2817.88 Q20.2@6062.93,2812.37 6066.9,2808.4 v1(6093,2808.4) ; v1(6019.22,1531.03) 6019.22,1533.39 6037.13,1551.31 6037.13,1581.69 D23.2@6040,1584.57 ; v1(6150,2190) C53.2@6150,2151.49 6157.05,2144.45 U9.14@6227.56,2144.45 ; U9.2@6227.56,2616.89 6276.89,2616.89 v1(6280,2620) ; U9.1@6227.56,2656.26 6276.26,2656.26 v1(6280,2660) ; U9.88@6345.67,2530.28 6345.94,2530 v1(6410,2530) ; C56.2@6361.38,3200.23 6399.77,3200.23 v1(6400,3200) ; v1(6640,2690) 6640.94,2690.94 U9.118@6640.94,2754.68 ; C47.2@7052.28,1536.5 7052.28,1583.78 C50.2@7068.51,1600 7074.02,1605.51 U9.37@7074.02,1691.69 ; R4.2@7622.79,3043.11 7622.79,2914.72 C12.2@7637.8,2899.72